# Altium PCB ad-dc-sync-rect.PcbDoc (part 2 of 2)
Units mm, origin at the board's own origin, x right, y up, seen from the top; angles counter-clockwise.
Board outline 200 x 140 mm, 2 copper layers (Top Layer, Bottom Layer), stack 2.271 mm thick; 244 components, 127 nets, 637 pads, 0 vias.
Unrouted connection lines stored in the file: 476.
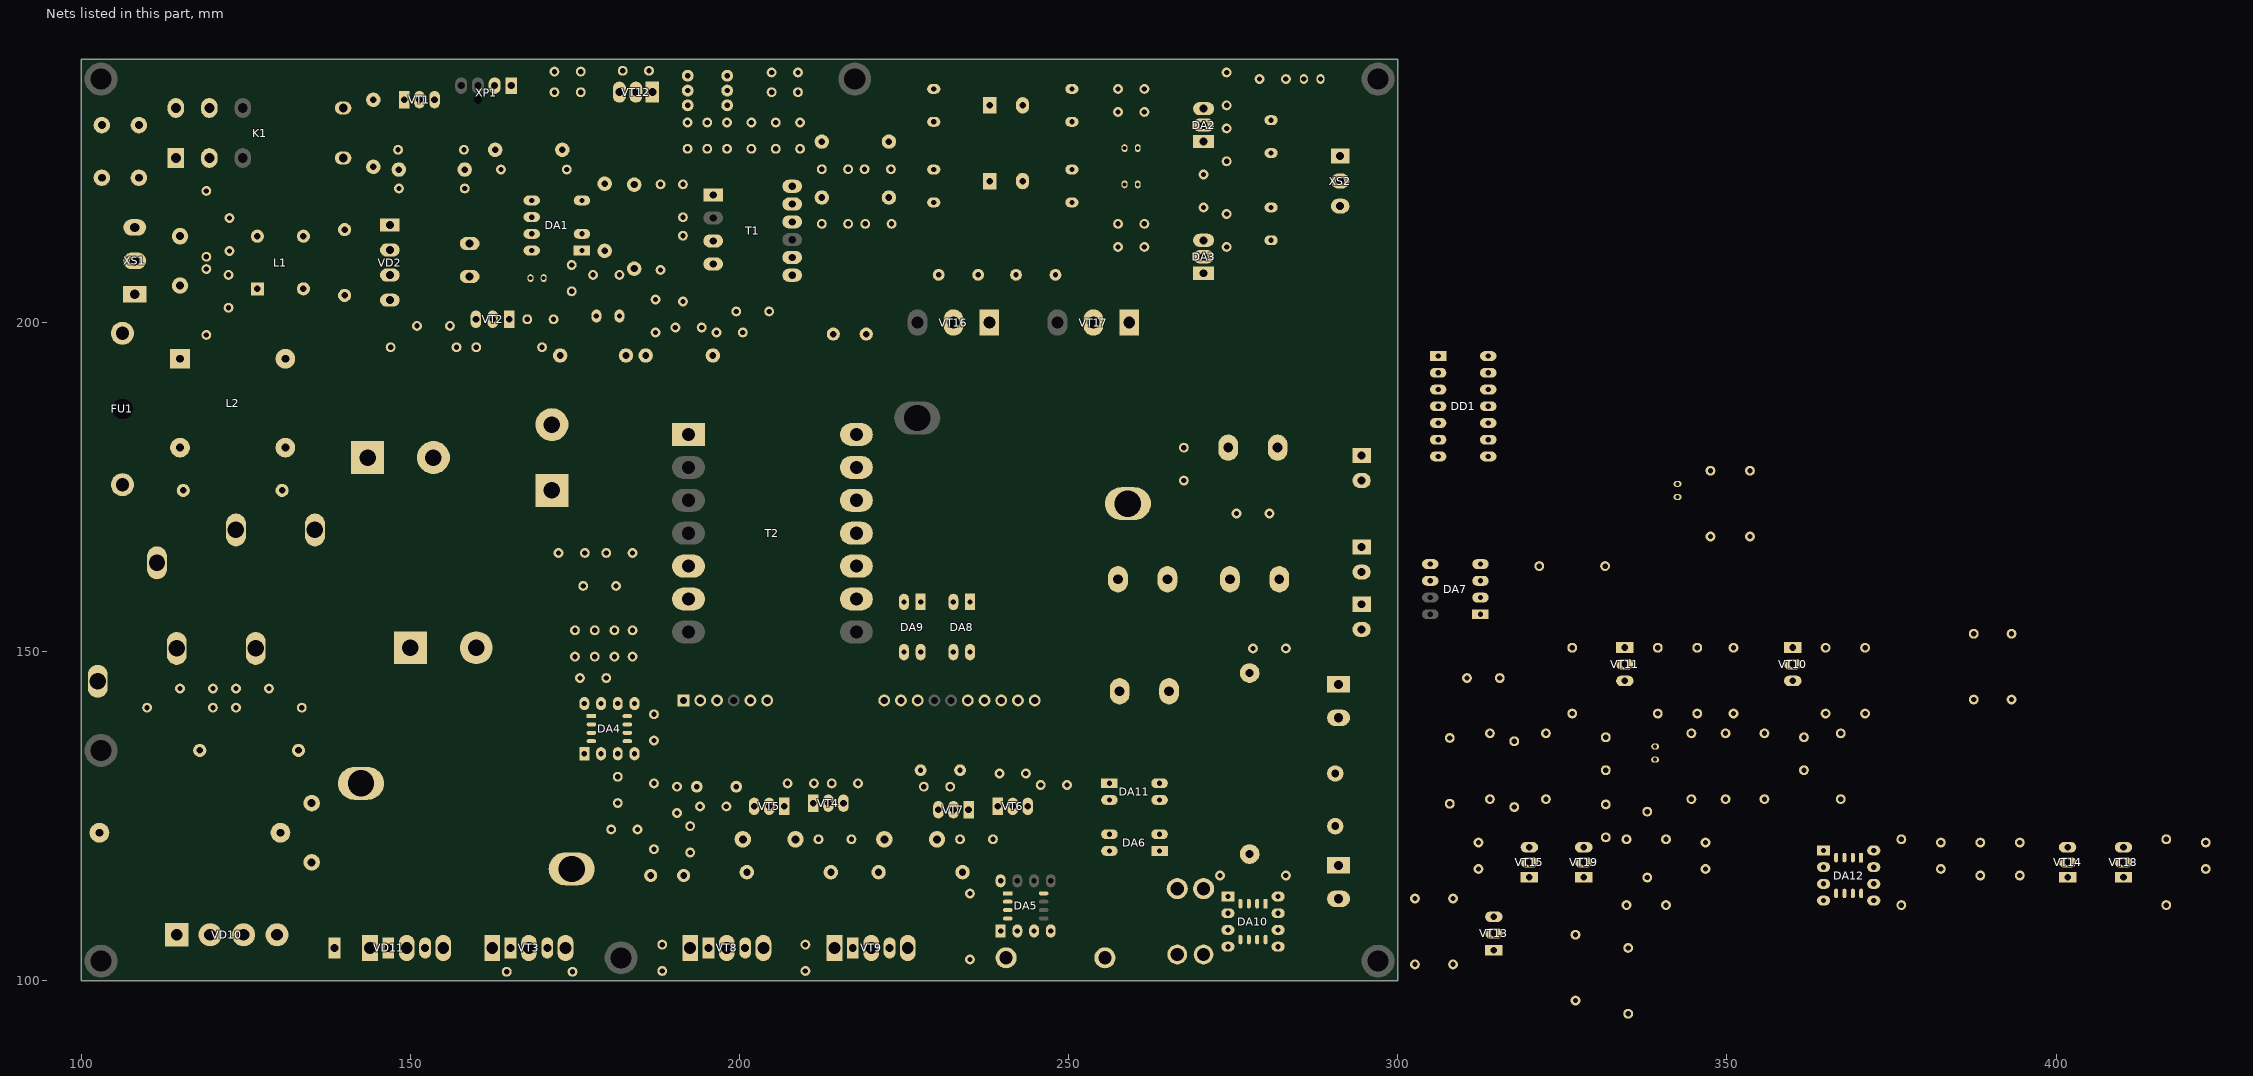
[diagram p2: the nets of this part, all layers, seen from the top]

## Part data
C1: library part C_ECAP, "Aluminium capacitor", Manufacturer=Nichicon, Package=12.5x25, Part Number=UCY2G330MHD, Tolerance="± 20 %", Voltage=400V, Value on schem=33u
C2 C8 C15: library part MKP61, "Metallized Polypropylene Film Capacitor for high voltage application", Dielectric=Polypropylene, Tolerance="± 10 %", Voltage=300V, Package=MKP61
  C2: Value on schem=0.1u
  C8: Value on schem=0.01u
  C15: Value on schem=0.22u
C3 C7 C43: library part JB_Y2, "High Voltage Ceramic Capacitor", Dielectric=Y5U, Manufacturer=JB, Package=Y, Part Number=JYC3D102MBE, Tolerance="± 20 %", Voltage=2000V, Value on schem=1000p
C4 C5: library part JB_Y2, "High Voltage Ceramic Capacitor", Dielectric=Y5V, Manufacturer=JB, Package=Y, Part Number=JYC3D103MCF, Tolerance="± 20 %", Voltage=2000V, Value on schem=0.01u
C6 C26 C27: library part C_ECAP, "Aluminium capacitor", Manufacturer=Nichicon, Package=5x11, Part Number=UVR1J100MDD1TA, Tolerance="± 20 %", Voltage=63V, Value on schem=10u
C9 C19 C24 C25 C30 C31 C38 C44 C46 C48 C49 C50 C62 C63 C64: library part CL23B, "Box-type metallized polyester film capacitor", Dielectric=Polyester, Tolerance="± * %", Voltage=63V, Package=CL23B
  C9 C19 C24 C25 C30 C31 C38 C46 C48 C49 C62: Value on schem=0.1u
  C44 C63 C64: Value on schem=1000p
  C50: Value on schem=0.47u
C10 C11: library part JB_Y2, "High Voltage Ceramic Capacitor", Dielectric=Y5V, Manufacturer=JB, Package=Y, Part Number=JYC3D472MBF, Tolerance="± 20 %", Voltage=2000V, Value on schem=4700p
C12 C13: library part CL11, "CL11 Type Polyester Film Metal Foil Capacitor-inductive", Dielectric=Polyester, Manufacturer="Shengxin Capacitors", Part Number=CL11-2A471J, Tolerance="± 5 %", Voltage=100V, Package=CL11, Value on schem=470p
C14: library part CL11, "CL11 Type Polyester Film Metal Foil Capacitor-inductive", Dielectric=Polyester, Manufacturer="Shengxin Capacitors", Part Number=CL11-2A391J, Tolerance="± 5 %", Voltage=100V, Package=CL11, Value on schem=390p
C16 C17 C33 C34: library part C_ECAP, "Aluminium capacitor", Manufacturer=Nichicon, Package=10x16, Part Number=UPW1E471MPD, Tolerance="± 20 %", Voltage=25V, Value on schem=470u
C18: library part C_ECAP, "Aluminium capacitor", Manufacturer=Panasonic, Package=8x15, Part Number=EEUFR1E391L, Tolerance="± 20 %", Voltage=25V, Value on schem=390u
C20: library part CL21, "CL21 Type Metallized Polyester Film Capacitor", Dielectric=Polyester, Tolerance="± * %", Voltage=630V, Package=CL21, Value on schem=4.7u
C21 C22: library part C_ECAP, "Aluminium capacitor", Manufacturer=Nichicon, Package=10x20, Part Number=UVZ1E102MPD, Tolerance="± 20 %", Voltage=25V, Value on schem=1000u
C23: library part RDE_CAP, "MLCC radial lead type with epoxy coat (RDE Series)", Dielectric=X7S, Manufacturer=Murata, Package=RDE, Part Number=RDEC71H475K2P1H03B, Tolerance="± 10 %", Voltage=50V, Value on schem=4.7u
C28 C32 C36 C54 C55 C56 C57 C58 C59 C60: library part RDE_CAP, "MLCC radial lead type with epoxy coat (RDE Series)", Dielectric=X7R, Manufacturer=Murata, Package=RDE, Part Number=RDER72A104K1P1H03B, Tolerance="± 10 %", Voltage=100V, Value on schem=0.1u
C29: library part ECAP_35x50, "Aluminium capacitors 35x50mm", Manufacturer=Yageo, Package=35x50, Part Number=LG450M0470BPF-3550, Tolerance="± 20 %", Voltage=450V, Value on schem=470u
C35: library part RDE_CAP, "MLCC radial lead type with epoxy coat (RDE Series)", Dielectric=X7R, Manufacturer=Murata, Package=RDE, Part Number=RDER71H105K2P1H03B, Tolerance="± 10 %", Voltage=50V, Value on schem=1u
C37 C61: library part C_ECAP, "Aluminium capacitor", Manufacturer=Nichicon, Package=5x11, Part Number=UVR1J220MDD, Tolerance="± 20 %", Voltage=63V, Value on schem=22u
C39 C40: library part JB_Y2, "High Voltage Ceramic Capacitor", Dielectric=Y5P, Manufacturer=JB, Package=Y, Part Number=JYC3D681KBB, Tolerance="± 10 %", Voltage=2000V, Value on schem=680p
C41 C42: library part ECAP_22x50, "Aluminium capacitors 35x50mm", Manufacturer=Nichicon, Package=22x50, Part Number=UPW2D471MRD, Tolerance="± 20 %", Voltage=200V, Value on schem=470u
C45 C47 C51 C52: library part C_ECAP, "Aluminium capacitor", Manufacturer=Samwha, Package=16x36, Part Number=RD1H338M1635MPA, Tolerance="± 20 %", Voltage=50V, Value on schem=3300u
C53: library part CL21, "CL21 Type Metallized Polyester Film Capacitor", Dielectric=Polyester, Tolerance="± * %", Voltage=250V, Package=CL21, Value on schem=2.2u
DA1: "Energy-Effi cient, Off-Line Switcher With Enhanced Flexibility and Extended Power Range", Manufacturer="Power Integrations", Package=DIP-8C, Part Number=TNY277PN
DA2: "1.5 A 3-Terminal Adjustable Regulator", Manufacturer="Texas Instruments", Package=TO-220, Part Number=LM317KC
DA3: "-1.5A  3-Terminal Adjustable Negative Regulators", Manufacturer="Texas Instruments", Package=TO-220, Part Number=LM337T
DA4: "PFC Controller in Continuous Conduction Mode", Manufacturer=Infineon, Package=SOIC-8, Part Number=ICE2PCS01GXUMA1TR
DA5 DA10: "Low-Power, Dual-Operational Amplifiers", Manufacturer="Texas Instruments", Package=DIP-8, Part Number=LM358N/NOPB
DA6 DA8 DA9 DA11: "5kV Phototransistor Optocoupler", Manufacturer="ON Semiconductor", Package=DIP-4, Part Number=FOD817A
DA7: "High Density Mounting Type / Photocoupler", Manufacturer=Sharp, Package=DIP-8, Part Number=PC827
DA12: "Dual Comparator", Manufacturer="Texas Instruments", Package=DIP-8, Part Number=LM393P
DD1: "Quad XOR-Gate", Manufacturer="Texas Instruments", Package=DIP-14, Part Number=CD4030BE
FU1: "Fuse holder 5.2х20mm", Package="Dragon City", Part Number=FH-102
HL1: "Standard Brightness 3mm LED", Color="Green, 565 nm", Manufacturer="G-Nor Optoelectronics", Package=3mm, Part Number=GNL-3012GD
K1: library part SMIH-12VDC-SL-C, "Subminature high power relay 16A", Coil Current=12V@75mA, Coil Power Dissipation=0.9W, Coil Resistance="160 Ohm", Manufacturer="Songle Relay", Package="32mm x27.5mm", Part Number=SLA-12VDC-SL-C
KT1 KT2 KT3 KT4 KT5 KT6 KT7 KT8 KT9 KT10 KT11 KT12 KT13 KT14 KT15 KT16: "Test pad"
L1: library part UU9.8, "UU9.8 Ferrite Core inductor", Core=UU9.8
L2: library part EE25, "EE25 Ferrite Core inductor", Core=EE25
L3 L4 L5: library part CORE_D20, "Ferrite Core D20.3/12.7/6.35 mm", Core=D20
L6 L7: library part RLB0914, "Radial Inductors", Inductance @ 100 kHz="* µH", Manufacturer="Bourns Inc.", Package=8.7x12mm, Irms  Max="* A", Isat  Typ="* A", Part Number=RLB0914-*, RDC="* Ohm", SRF Min="* MHz"
L8: library part CORE_D36, "Ferrite Core D35.8/22.4/10.5 mm", Core=D36
L9 L12: library part EC24, "Axial leaded coated inductors", Inductance @ 100 kHz="18 µH", Manufacturer="3L Electronic", Irms  Max="315 mA", Package=EC24, Part Number=EC24-180K, Q=40, RDC="1 Ohm", SRF Min="15 MHz"
L10: library part CORE_D33, "Ferrite Core D32.8/20.1/10.7 mm", Core=D33
R1 R2: library part CF200, "Resistor 2W", Manufacturer=Yageo, Package=2W, Part Number=KNP200JB-73-56R, Temperature coefficient="±300 ppm/°C", Tolerance="± 5 %", Voltage=250V, Value on schem=56
R3 R4 R12 R25 R36 R37 R48 R52 R54 R65 R68 R71 R75 R76 R83 R84: library part CF25, "Resistor 1/4W", Manufacturer=Yageo, Package=1/4, Part Number=MFR-25FTF52-1K, Temperature coefficient="±100 ppm/°C", Tolerance="± 1 %", Voltage=250V, Value on schem=1k
R5: library part CF25, "Resistor 1/4W", Manufacturer=Yageo, Package=1/4, Part Number=MFR-25FTF52-30R, Temperature coefficient="±100 ppm/°C", Tolerance="± 1 %", Voltage=250V, Value on schem=30
R6: library part CF25, "Resistor 1/4W", Manufacturer=Yageo, Package=1/4, Part Number=MFR-25FTF52-75R, Temperature coefficient="±100 ppm/°C", Tolerance="± 1 %", Voltage=250V, Value on schem=75
R7 R8 R16 R17: library part CF25, "Resistor 1/4W", Manufacturer=Yageo, Package=1/4, Part Number=MFR-25FTF52-510K, Temperature coefficient="±100 ppm/°C", Tolerance="± 1 %", Voltage=250V, Value on schem=510k
R9: library part CF50, "Resistor 1/2W", Manufacturer=Yageo, Package=1/2, Part Number=MFR-50JT-52-200K, Temperature coefficient=350V, Tolerance="± 5 %", Value on schem=200k
R10 R79 R80: library part CF25, "Resistor 1/4W", Manufacturer=Yageo, Package=1/4, Part Number=MFR-25FTF52-4K7, Temperature coefficient="±100 ppm/°C", Tolerance="± 1 %", Voltage=250V, Value on schem=4.7k
R11: library part CF25, "Resistor 1/4W", Manufacturer=Yageo, Package=1/4, Part Number=MFR-25FTF52-5K1, Temperature coefficient="±100 ppm/°C", Tolerance="± 1 %", Voltage=250V, Value on schem=5.1k
R13 R14: library part CF25, "Resistor 1/4W", Manufacturer=Yageo, Package=1/4, Part Number=MFR-25FTF52-27R, Temperature coefficient="±100 ppm/°C", Tolerance="± 1 %", Voltage=250V, Value on schem=27
R15: library part CF25, "Resistor 1/4W", Manufacturer=Yageo, Package=1/4, Part Number=MFR-25FTF52-22R, Temperature coefficient="±100 ppm/°C", Tolerance="± 1 %", Voltage=250V, Value on schem=22
R18: library part CF25, "Resistor 1/4W", Manufacturer=Yageo, Package=1/4, Part Number=MFR-25FTF52-680R, Temperature coefficient="±100 ppm/°C", Tolerance="± 1 %", Voltage=250V, Value on schem=680
R19: library part CF25, "Resistor 1/4W", Manufacturer=Yageo, Package=1/4, Part Number=MFR-25FTF52-220R, Temperature coefficient="±100 ppm/°C", Tolerance="± 1 %", Voltage=250V, Value on schem=220
R20: library part BPR58, "Rectangular type metal plate resistors", Manufacturer="KOA Speer", Package=5W, Part Number=BPR58CR10J, Temperature coefficient="±350 /°C", Tolerance="± 5 %", Value on schem=0.1
R21: library part CF25, "Resistor 1/4W", Manufacturer=Yageo, Package=1/4, Part Number=MFR-25FTF52-75K, Temperature coefficient="±100 ppm/°C", Tolerance="± 1 %", Voltage=250V, Value on schem=75k
R22 R38 R39 R81 R82: library part CF25, "Resistor 1/4W", Manufacturer=Yageo, Package=1/4, Part Number=MFR-25FTF52-3R6, Temperature coefficient="±100 ppm/°C", Tolerance="± 1 %", Voltage=250V, Value on schem=3.6
R23 R32 R40 R41 R47 R49 R50 R51 R58 R67 R69 R70 R72 R74: library part CF25, "Resistor 1/4W", Manufacturer=Yageo, Package=1/4, Part Number=MFR-25FTF52-10K, Temperature coefficient="±100 ppm/°C", Tolerance="± 1 %", Voltage=250V, Value on schem=10k
R24 R29 R64 R77 R78: library part CF25, "Resistor 1/4W", Manufacturer=Yageo, Package=1/4, Part Number=MFR-25FTF52-2K, Temperature coefficient="±100 ppm/°C", Tolerance="± 1 %", Voltage=250V, Value on schem=2k
R26: library part CF25, "Resistor 1/4W", Manufacturer=Yageo, Package=1/4, Part Number=MFR-25FTF52-240R, Temperature coefficient="±100 ppm/°C", Tolerance="± 1 %", Voltage=250V, Value on schem=240
R27: library part CF25, "Resistor 1/4W", Manufacturer=Yageo, Package=1/4, Part Number=MFR-25FTF52-120R, Temperature coefficient="±100 ppm/°C", Tolerance="± 1 %", Voltage=250V, Value on schem=120
R28: library part CF25, "Resistor 1/4W", Manufacturer=Yageo, Package=1/4, Part Number=MFR-25FTF52-33K, Temperature coefficient="±100 ppm/°C", Tolerance="± 1 %", Voltage=250V, Value on schem=33k
R30 R31: library part CF25, "Resistor 1/4W", Manufacturer=Yageo, Package=1/4, Part Number=MFR-25FTF52-390K, Temperature coefficient="±100 ppm/°C", Tolerance="± 1 %", Voltage=250V, Value on schem=390k
R33: library part CF25, "Resistor 1/4W", Manufacturer=Yageo, Package=1/4, Part Number=MFR-25FTF52-15K, Temperature coefficient="±100 ppm/°C", Tolerance="± 1 %", Voltage=250V, Value on schem=15k
R34 R35: library part CF25, "Resistor 1/4W", Manufacturer=Yageo, Package=1/4, Part Number=MFR-25FTF52-330R, Temperature coefficient="±100 ppm/°C", Tolerance="± 1 %", Voltage=250V, Value on schem=330
R42: library part SHUNT_15MM, "Constantan shunt resistor, pitch = 15mm", Package=15MM, Temperature coefficient=±*/°C, Tolerance="±  %", Value on schem=0.05
R43 R44: library part CF200, "Resistor 2W", Manufacturer=Yageo, Package=2W, Part Number=KNP200JB-73-27R, Temperature coefficient="±300 ppm/°C", Tolerance="± 5 %", Voltage=250V, Value on schem=27
R45 R60 R66: library part CF25, "Resistor 1/4W", Manufacturer=Yageo, Package=1/4, Part Number=MFR-25FTF52-22K, Temperature coefficient="±100 ppm/°C", Tolerance="± 1 %", Voltage=250V, Value on schem=22k
R46 R53 R73: library part CF25, "Resistor 1/4W", Manufacturer=Yageo, Package=1/4, Part Number=MFR-25FTF52-2K2, Temperature coefficient="±100 ppm/°C", Tolerance="± 1 %", Voltage=250V, Value on schem=2.2k
R55 R57: library part SHUNT_10MM, "Constantan shunt resistor, pitch = 10mm", Package=10MM, Temperature coefficient=±*/°C, Tolerance="± 5 %", Value on schem=0.02
R56: library part CF200, "Resistor 2W", Manufacturer=Yageo, Package=2W, Part Number=KNP200JB-73-2K2, Temperature coefficient="±300 ppm/°C", Tolerance="± 5 %", Voltage=250V, Value on schem=2.2k
R59: library part CF25, "Resistor 1/4W", Manufacturer=Yageo, Package=1/4, Part Number=MFR-25FTF52-1M, Temperature coefficient="±100 ppm/°C", Tolerance="± 1 %", Voltage=250V, Value on schem=1M
R61 R62: library part CF25, "Resistor 1/4W", Manufacturer=Yageo, Package=1/4, Part Number=MFR-25FTF52-3K3, Temperature coefficient="±100 ppm/°C", Tolerance="± 1 %", Voltage=250V, Value on schem=3.3k
R63: library part CF25, "Resistor 1/4W", Manufacturer=Yageo, Package=1/4, Part Number=MFR-25FTF52-5.1K, Temperature coefficient="±100 ppm/°C", Tolerance="± 1 %", Voltage=250V, Value on schem=6.2k
RT1 RT2: library part NTC, "NTC thermistors"
RU1: library part VARISTOR, "Varistor", Part Number=VDR-14D431
T1: library part EEL19_V1, "EEL19 Ferrite Core, 2 output"
T2: library part ER39, "EE39 Ferrite Core, with footprint for ER35, EE33, EI33 etc."
VD1 VD4 VD18: "1A 1000V Standard Recovery Rectifiers Diode", Manufacturer="ON Semiconductor", Package=DO-41, Part Number=1N4007RL
VD2: "2A single phase bridge rectifier", Manufacturer="Diodes Incorporated", Package=KBP, Part Number=KBP210G
VD3: "10V 1.0W ZENER DIODE", Manufacturer="Diodes Incorporated", Package=DO-41, Part Number=1N4740A
VD5: "600 Watt Peak Power Transient / Voltage Suppressors", Manufacturer="ON Semiconductor", Package=DO-15, Part Number=P6KE160ARLG
VD6 VD7 VD8: "1A, 80V Schottky Barrier Rectifier", Manufacturer="ON Semiconductor", Package=DO-41, Part Number=SB180
VD9: "12V 1.0W ZENER DIODE", Manufacturer="Diodes Incorporated", Package=DO-41, Part Number=1N4742A
VD10: "8A single phase bridge rectifier", Manufacturer="Diodes Incorporated", Package=GBU, Part Number=GBU810
VD11: "Ultrafast, Soft Recovery Diode 600V, 15A", Manufacturer=Infineon, Package=TO-247AC, Part Number=HFA30PA60C
VD12 VD13 VD16 VD17 VD19 VD20 VD21: "High-speed diode", Package=DO-35, Part Number=1N4148
VD14 VD15: "Diode 2A, 1000V Glass Passivated Fast Recovery Rectifiers", Manufacturer="Taiwan Semiconductor Corporation", Package=DO-15, Part Number=FR207G
VT1 VT4 VT6 VT18 VT19: "General Purpose n-p-n Transistors", Manufacturer=STMicroelectronics, Package=TO-126, Part Number=BD139
VT2 VT10: "General Purpose n-p-n Transistors", Manufacturer=NEC, Package=TO-92, Part Number=2SC945
VT3 VT8 VT9: "600V @ 20A N-Channel MOSFET", Manufacturer="ON Semiconductor", Package=TO-247, Part Number=FCH20N60
VT5 VT7 VT14 VT15: "General Purpose p-n-p Transistors", Manufacturer=STMicroelectronics, Package=TO-126, Part Number=BD140
VT11 VT13: "General Purpose p-n-p Transistors", Manufacturer=NEC, Package=TO-92, Part Number=2SA733
VT12: "N-Channel MOSFET,  30V, 40A", Manufacturer="Advanced Power Electronics Corp.", Package=TO220-3, Part Number=AP40N03GP
VT16 VT17: "150V @ 70A 28 mΩ N-Channel MOSFET", Manufacturer="ON Semiconductor", Package=TO-3PN, Part Number=FQA70N15
XS1: "3-way screw terminal, pitch 200mils (5.08mm)", Manufacturer=DEGSON, Part Number=DG500-5.08-03P-14
XS2: "3-way screw terminal, pitch 150mils (3.81mm)", Manufacturer=DEGSON, Part Number=DG340-3.81-03P-12
XS3 XS4: "2-way screw terminal, pitch 200mils (5.08mm)", Manufacturer=DEGSON, Part Number=DG500-5.08-02P-14
XS5 XS6 XS7: "2-way screw terminal, pitch 150mils (3.81mm)", Manufacturer=DEGSON, Part Number=DG340-3.81-02P-12
XP1: Part Number=470531000

## Free pads (board coordinates)
  round 5 hole 3.2 mask+0.075: MECHANICAL(103,103) MECHANICAL(103,135) MECHANICAL(103,237) MECHANICAL1(182,103.5) MECHANICAL1(217.5,237) MECHANICAL1(297,103) MECHANICAL1(297,237)

## Nets (pads, with @x,y where several pads share a name; then routed paths per layer and width w, separated by ;. In a path a pad name is that pad's centre, name@x,y a point inside that pad or via, vN(x,y) a via of type N, cw(c..) or ccw(c..) an arc to the next point about the centre after c; other vN are vias at no path point)
0V: C53.1 R55.2 R56.1 R57.2 R69.2 XS4.1 XS4.2
AC230_H: C10.1 C15.2 L3.2 R16.2 VD10.2
AC230_L: C11.2 C15.1 L4.2 R17.1 VD10.3
AC230_PE: C10.2 C11.1 L5.2 R16.1 R17.2
ALERT_ISO: DA11.4 R65.2 XS7.1
CLR_ALERT: DA9.4 KT7.1 R51.2
CLR_ALERT_ISO: R76.2 XS6.2
DAC_VSET: DA10.2 XS5.1
FB_VOLTAGE: DA7.6 KT5.1 R49.2
GND: C16.2 C17.1 C21.2 C22.1 C24.2 C25.1 C26.2 C27.1 C30.2 C31.1 C33.2 C34.1 C44.1 C45.2 C46.1 C47.2 C48.2 C49.2 C50.1 C51.2 C52.2 C61.2 C62.2 DA5.4 DA6.2 DA7.3 DA7.4 DA10.4 DA11.3 DA12.3 DA12.4 DA12.5 DD1.7 HL1.1 R24.1 R25.2 R48.1 R50.2 R53.1 R55.1 R57.1 R68.1 R73.1 R79.1 R80.2 R83.1 R84.1 T1.9 T2.11 T2.12 VD16.1 VD17.1 VT10.3 XS2.2 XS5.2 XS7.2
HALF_BRIDGE_OFF: DA8.4 KT16.1 R72.2
HALF_OFF_ISO: R52.2 XS6.1
HALF_VS: C39.1 R36.1 R40.1 R44.2 T2.5 VD15.2 VT5.2 VT8.3 VT9.2
NetC2_1: C2.1 L1.4 VD2.3
NetC2_2: C2.2 L1.3 VD2.2
NetC3_1: C3.1 R5.1
NetC4_1: C4.1 FU1.2 L1.1 L2.1 R7.2 RU1.2
NetC4_2: C4.2 C5.1 L5.1 R7.1 R8.2 XS1.2
NetC5_2: C5.2 K1.1 K1.8 L1.2 L2.2 R1.1 R2.1 R8.1 RU1.1
NetC6_1: C6.1 DA1.2
NetC7_2: C7.2 T1.4
NetC8_1: C8.1 L2.3 L4.1
NetC8_2: C8.2 L2.4 L3.1
NetC9_1: C9.1 R12.2
NetC12_1: C12.1 C16.1 L6.1 VD6.1
NetC12_2: C12.2 R13.1
NetC13_1: C13.1 C17.2 L7.1 VD7.2
NetC13_2: C13.2 R14.1
NetC14_2: C14.2 R15.1
NetC20_1: C20.1 R19.2 R20.1 VD10.1
NetC20_2: C20.2 L8.1 VD10.4 VD11.1
NetC21_1: C21.1 C24.1 DA2.3 L6.2
NetC22_2: C22.2 C25.2 DA3.2 L7.2
NetC23_2: C23.2 DA4.2
NetC26_1: C26.1 DA2.1 R24.2 R26.2
NetC27_2: C27.2 DA3.1 R25.1 R27.2
NetC32_1: C32.1 DA4.5 R28.2
NetC35_1: C35.1 R28.1
NetC36_1: C36.1 DA4.6 R31.1 R32.1 R33.2
NetC37_1: C37.1 C38.1 DA5.8 L9.1
NetC39_2: C39.2 R43.1 VD14.1
NetC40_2: C40.2 R44.1 VD15.1
NetC41_2: C41.2 C42.1 T2.1
NetC43_2: C43.2 T2.6
NetC54_2: C54.2 C55.1 R58.2 VD18.2 VT12.2 XP1.1
NetC56_1: C56.1 R59.2 VD19.1 VD20.1 VD21.1 VT12.1
NetC61_1: C61.1 C62.1 DA10.8 L12.1 R67.1
NetC63_1: C63.1 DA10.5 R69.1
NetC63_2: C63.2 DA10.6 R66.1 R68.2
NetC64_1: C64.1 DA5.3 R70.1
NetC64_2: C64.2 DA5.2 R45.1 R71.2
NetDA1_1: DA1.1 R10.1
NetDA1_4: DA1.4 T1.3 VD4.2
NetDA4_3: DA4.3 R19.1
NetDA4_4: DA4.4 R21.1
NetDA4_8: DA4.8 R22.1
NetDA6_1: DA6.1 R48.2 R64.1
NetDA7_1: DA7.1 R54.1
NetDA7_2: DA7.2
NetDA7_4: DA10.3 R67.2
NetDA8_1: DA8.1 R46.2
NetDA8_2: DA8.2 VT10.2
NetDA9_1: DA9.1 VT13.2
NetDA9_2: DA9.2 R73.2
NetDA10_1: DA10.1 R54.2
NetDA10_7: DA10.7 R64.2 R66.2
NetDA11_1: DA11.1 VT11.2
NetDA11_2: DA11.2 R53.2
NetDA12_1: DA12.1 DD1.1 DD1.6 R79.2
NetDA12_2: DA12.2 R77.1 VD16.2
NetDA12_6: DA12.6 R78.2 VD17.2
NetDA12_7: DA12.7 DD1.2 DD1.9 R80.1
NetDD1_3: DD1.3 DD1.12
NetDD1_4: DD1.4 R83.2 VT14.1 VT18.1
NetDD1_5: DD1.5 DD1.8 DD1.11
NetDD1_10: DD1.10 R84.2 VT15.1 VT19.1
NetFU1_1: FU1.1 XS1.1
NetHL1_2: HL1.2 R29.1
NetK1_2: K1.2 K1.7 R1.2 R2.2 XS1.3
NetK1_5: K1.5 VD1.2 VT1.2
NetL8_2: L8.2 VD11.3 VT3.2
NetR3_1: R3.1 VD3.1
NetR4_2: R4.2 VD3.2 VT1.1
NetR5_2: R5.2 R6.1 R9.1 VD5.1
NetR6_2: R6.2 VD4.1
NetR10_2: R10.2 VT2.2
NetR11_1: R11.1 R18.1 VD9.2
NetR11_2: R11.2 R12.1 VT2.1
NetR13_2: R13.2 T1.10 VD6.2
NetR14_2: R14.2 T1.8 VD7.1
NetR15_2: R15.2 T1.5 VD8.2
NetR22_2: R22.2 R23.2 VT3.1
NetR30_1: R30.1 R31.2
NetR34_1: R34.1 R36.2 VT4.1 VT5.1
NetR35_1: R35.1 R37.2 VT6.1 VT7.1
NetR38_1: R38.1 R40.2 VD12.2 VT8.1
NetR38_2: R38.2 VD12.1 VT4.3 VT5.3
NetR39_1: R39.1 R41.2 VD13.2 VT9.1
NetR39_2: R39.2 VD13.1 VT6.3 VT7.3
NetR42_2: R42.2 R70.2 VT9.3
NetR47_1: R47.1 R75.2 VT11.1
NetR50_1: R50.1 R52.1 VT10.1
NetR58_1: R58.1 R60.2 VD19.2
NetR74_1: R74.1 R76.1 VT13.1
NetR77_2: R77.2 VT17.2
NetR78_1: R78.1 VT16.2
NetR81_1: R81.1 VT17.1
NetR81_2: R81.2 VT14.3 VT18.3
NetR82_1: R82.1 VT16.1
NetR82_2: R82.2 VT15.3 VT19.3
NetT2_9: T2.9 T2.10
NetT2_13: T2.13 T2.14
NetVT14_2: VT14.2 VT15.2
OVER_CURRENT_HALF_BRIDGE: DA5.1 KT12.1 R45.2
OVER_CURRENT_RECTIFIER: DA6.4 KT13.1 R63.2
OVER_TEMP_HALF_BRIDGE: C59.2 C60.1 KT14.1 R61.2 RT1.1 VD20.2
OVER_TEMP_RECTIFIER: C57.2 C58.1 KT15.1 R62.2 RT2.1 VD21.2
PGND: C1.2 C6.2 C7.1 C9.2 C18.2 C19.2 C23.1 C28.2 C29.2 C32.2 C35.2 C36.2 C37.2 C38.2 C40.1 C42.2 C43.1 C55.2 C56.2 C58.2 C60.2 DA1.5 DA1.6 DA1.7 DA1.8 DA4.1 DA6.3 DA7.5 DA8.3 DA9.3 KT6.1 KT9.1 R4.1 R18.2 R20.2 R21.2 R23.1 R32.2 R33.1 R37.1 R41.1 R42.1 R59.1 R60.1 R61.1 R62.1 R71.1 T1.6 VD2.4 VT1.3 VT2.3 VT3.3 VT7.2 VT12.3
PWM_ALERT: KT8.1 R75.1
PWM_H: KT3.1 R34.2
PWM_L: KT2.1 R35.2
VCC_310V: C1.1 C3.2 R9.2 T1.1 VD2.1 VD5.2
VCC_380V: C29.1 C41.1 R30.2 R43.2 VD11.2 VD14.2 VT8.2
VCC_NONISO_12V0P: C14.1 C18.1 C19.1 C28.1 C54.1 C57.1 C59.1 DA4.7 K1.4 KT1.1 L9.2 R3.2 RT1.2 RT2.2 VD1.1 VD8.1 VD9.1 VD18.1 VT4.2 VT6.2 XP1.2
VCC_STANDBY_12V0N: C31.2 C34.2 DA3.3 R27.1 XS2.3
VCC_STANDBY_12V0P: C30.1 C33.1 C48.1 C49.1 DA2.2 DA12.8 DD1.13 DD1.14 L12.2 R26.1 R29.2 R46.1 R47.2 R49.1 R51.1 R63.1 R65.1 R72.1 R74.2 VT11.3 VT13.3 VT18.2 VT19.2 XS2.1
VOUT: C44.2 C45.1 C46.2 C47.1 C50.2 C51.1 C52.1 C53.2 L10.2 R56.2 XS3.1 XS3.2
pads on no net: DA5.5 DA5.6 DA5.7 DA7.7 DA7.8 FU1.HOLE K1.3 K1.6 KT4.1 KT10.1 KT11.1 L10.1 T1.2 T1.7 T2.2 T2.3 T2.4 T2.7 T2.8 VT16.3 VT17.3 XP1.0 XP1.3 XP1.4

## Silkscreen, mask and mechanical layers (free items; w line width, h text height)
Top Overlay:
  lines w0.2: 100.5,108 106.25,108 108,106.25 108,100.5 ; 100.5,131 108,131 108,139 100.5,139 ; 100.5,232 108,232 108,239.5 ; 292,100.5 292,108 299.5,108 ; 292,239.5 292,232 299.5,232 ; 188.75,133.373 248.35,133.373 248.35,147.673 188.75,147.673 188.75,133.373 ; 209.89,135.873 217.89,135.873 217.89,145.373 209.89,145.373 209.89,135.873
  lines w0.254: 110,108 108.5,108 108.5,114 232,114 232,108 229,108 ; 146.875,228 146.875,232 189.5,232 189.5,228 146.875,228 ; 197.5,190 197.5,196.25 297.5,196.25 297.5,190 197.5,190 ; 263.5,202.5 267.5,202.5 267.5,239 263.5,239 263.5,202.5
  text "HEATSINK" at 161.877,229.25 h1.5
  text "HEATSINK" at 266.25,215.377 h1.5 r90
  text "AC 85-265 V" at 102.875,201.628 h1.5 r90
  text "HEATSINK" at 236.627,192.5 h1.5
  text "1" at 192,145.333 h1 r90
  text "2" at 194.54,145.333 h1 r90
  text "3" at 197.08,145.333 h1 r90
  text "4" at 199.62,145.333 h1 r90
  text "5" at 202.16,145.333 h1 r90
  text "6" at 204.7,145.333 h1 r90
  text "7" at 222.48,145.333 h1 r90
  text "8" at 225.02,145.333 h1 r90
  text "9" at 227.56,145.333 h1 r90
  text "10" at 230.1,145.333 h1 r90
  text "11" at 232.64,145.333 h1 r90
  text "12" at 235.18,145.333 h1 r90
  text "13" at 237.72,145.333 h1 r90
  text "14" at 240.26,145.333 h1 r90
  text "15" at 242.8,145.333 h1 r90
  text "16" at 245.34,145.333 h1 r90
  text "NC" at 232.64,139.457 h1 r90
  text "PWM" at 212.175,138.887 h1.25 r90
  text "block" at 217.255,137.846 h1.25 r90
  text "SHDN" at 245.34,137.458 h1 r90
  text "control" at 214.715,136.7 h1.25 r90
  text "PWM_L" at 194.457,136.458 h1 r90
  text "PWM_H" at 196.997,136.458 h1 r90
  text "OCP_H" at 235.097,136.458 h1 r90
  text "OCP_R" at 237.637,136.458 h1 r90
  text "OTP_H" at 240.177,136.458 h1 r90
  text "OTP_R" at 242.717,136.458 h1 r90
  text "GROUND" at 204.7,135.459 h1 r90
  text "GROUND" at 227.56,135.459 h1 r90
  text "VCC_12V" at 191.917,134.625 h1 r90
  text "FB_CURR" at 199.537,134.459 h1 r90
  text "FB_VOLT" at 202.077,134.459 h1 r90
  text "PWM_ALE" at 222.397,134.459 h1 r90
  text "CLR_ALE" at 224.937,134.459 h1 r90
  text "REF_5V0" at 230.017,134.459 h1 r90
  text "HEATSINK" at 176.377,110.75 h1.5
Outline:
  the board outline again, w0.254

## Text inside footprints (layer, text, board x,y; h text height)
R42: Top Overlay "SENSE" at 245.434,102.95 h1.1
R55: Top Overlay "SENSE" at 267.05,106.434 h1.1 r90
R57: Top Overlay "SENSE" at 271.05,106.434 h1.1 r90
VD11: Top Overlay "TO-220" at 143.858,108.25 h1; Top Overlay "2x" at 145.857,110 h1; Top Overlay "TO-247" at 136.358,100.75 h1
XS1: Top Overlay "FRONT" at 105.825,207.042 h1 r90
XS2: Top Overlay "FRONT" at 294.627,218.802 h1.8 r90
XS3: Top Overlay "FRONT" at 294.377,139.802 h1.8 r90
XS4: Top Overlay "FRONT" at 294.377,112.302 h1.8 r90
XS5: Top Overlay "FRONT" at 297.877,175.207 h1.8 r90
XS6: Top Overlay "FRONT" at 297.877,161.302 h1.8 r90
XS7: Top Overlay "FRONT" at 297.877,152.602 h1.8 r90